# Altium PCB UltraZOhm_CarrierBoard.PcbDoc (part 11 of 12)
Units mm, origin at the board's own origin, x right, y up, seen from the top; angles counter-clockwise.
Board outline 350 x 128 mm, 6 copper layers (Top Layer, L02_GND, L03_Sig, L04_Sig, L05_VCC, Bottom Layer), stack 2.021 mm thick; 851 components, 1243 nets, 4332 pads, 2446 vias.
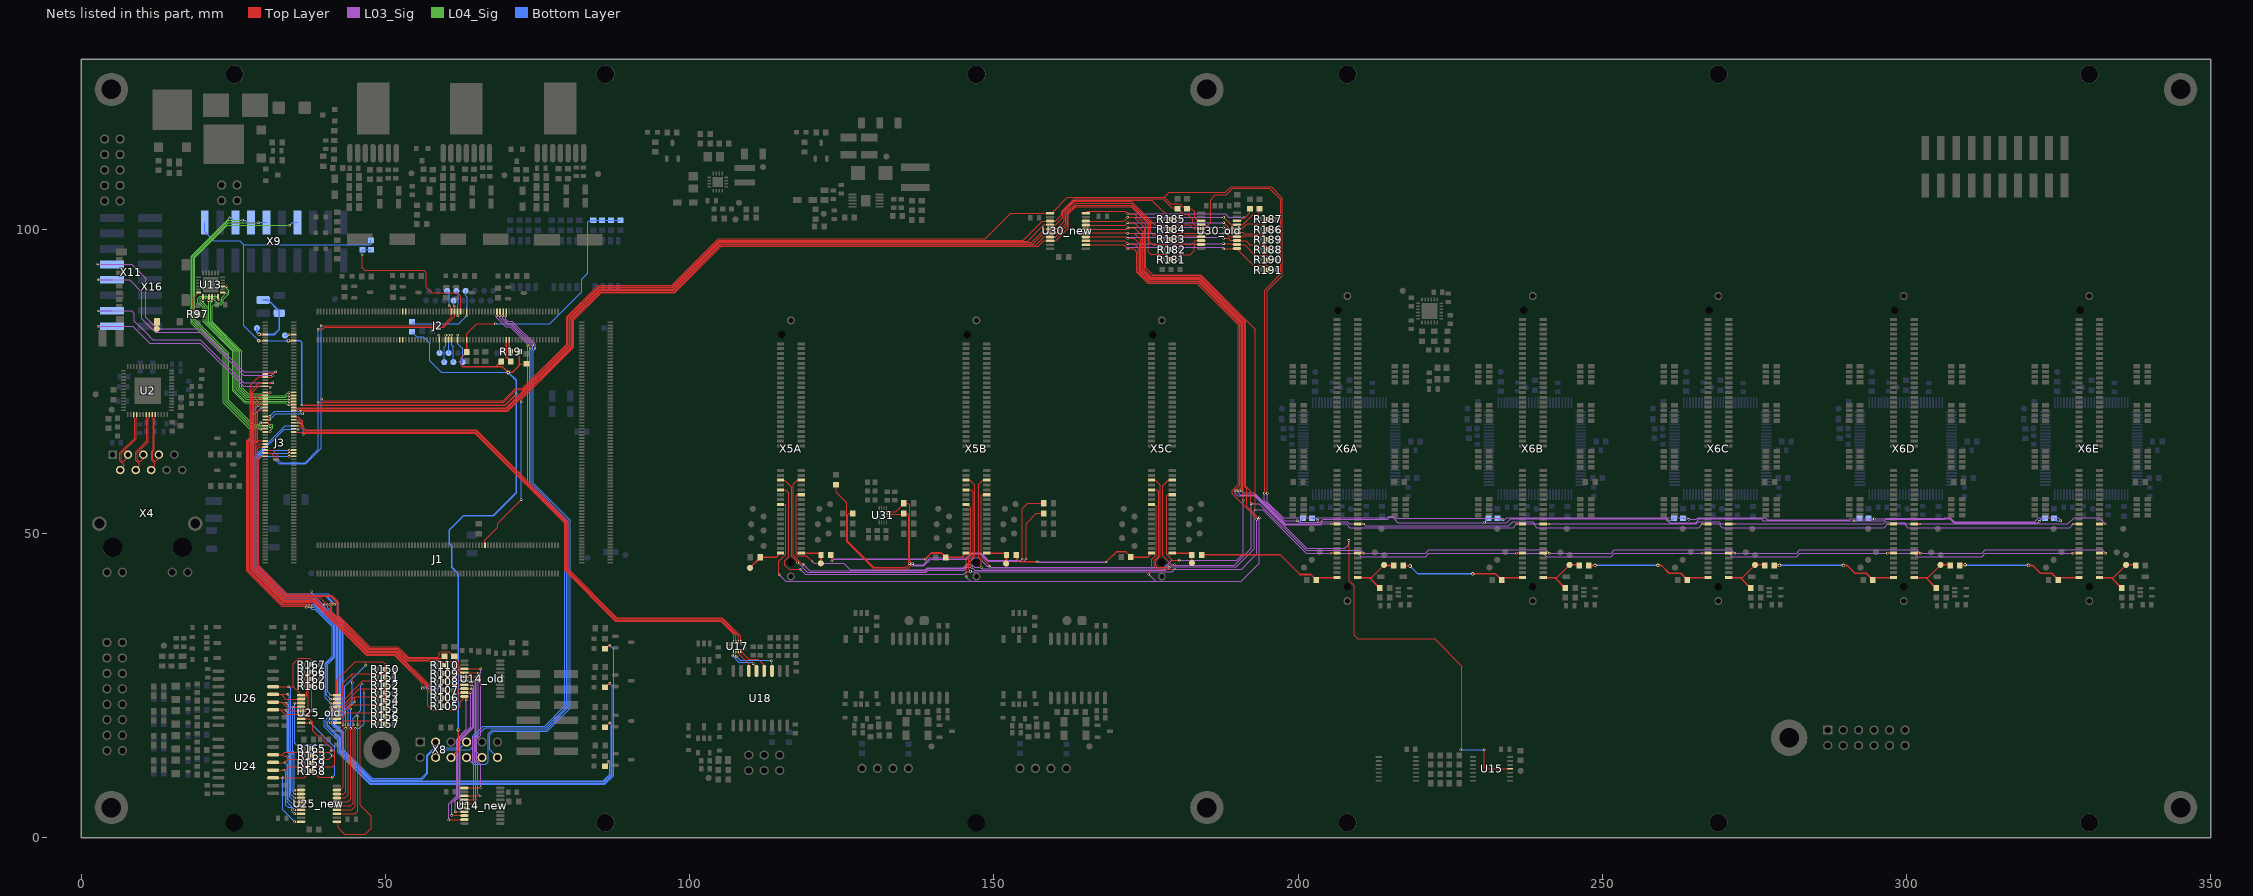
[diagram p15: the nets of this part, all layers, seen from the top]

## Via types
v1: diameter 0.4, hole 0.2, Top Layer to Bottom Layer, tented bottom, 866 vias
v2: diameter 0.4, hole 0.2, Top Layer to Bottom Layer, tented both sides, 783 vias
v3: diameter 0.6, hole 0.3, Top Layer to Bottom Layer, tented both sides, 508 vias
v4: diameter 0.6, hole 0.3, Top Layer to Bottom Layer, tented bottom, 276 vias
v5: diameter 0.5, hole 0.2, Top Layer to Bottom Layer, tented bottom, 5 vias
v6: diameter 0.5, hole 0.3, Top Layer to Bottom Layer, tented bottom, 5 vias
v7: diameter 1, hole 0.5, Top Layer to Bottom Layer, tented bottom, 2 vias
v8: diameter 0.4, hole 0.2, Top Layer to Bottom Layer, 1 vias

## Nets (pads, with @x,y where several pads share a name; then routed paths per layer and width w, separated by ;. In a path a pad name is that pad's centre, name@x,y a point inside that pad or via, vN(x,y) a via of type N, cw(c..) or ccw(c..) an arc to the next point about the centre after c; other vN are vias at no path point) (continued)
PHY_MDI1_N: U2.23 X4.6 | length 10
  Top Layer w0.1: X4.6@11.526,60.467 11.526,60.906 11.906,60.906 12.144,61.144 12.144,61.544 11.58,62.109 11.58,63.58 11.825,63.825 11.825,68.955 11.685,69.095 U2.23@11.685,69.565
PHY_MDI1_P: U2.24 X4.7 | length 9.5
  Top Layer w0.1: U2.24@12.185,69.565 12.185,69.095 12.045,68.955 12.045,63.734 11.8,63.489 11.8,62.2 12.1,61.9 12.3,61.9 12.796,62.396 X4.7@12.796,63.007
PHY_MDI2_N: U2.21 X4.4 | length 10.4
  Top Layer w0.1: X4.4@8.986,60.467 9.6,61.081 9.6,61.489 9,62.089 9,63.411 10.825,65.237 10.825,68.955 10.685,69.095 U2.21@10.685,69.565
PHY_MDI2_P: U2.22 X4.5 | length 10.2
  Top Layer w0.1: X4.5@10.256,63.007 10.256,62.356 9.8,61.9 9.5,61.9 9.22,62.18 9.22,63.32 11.045,65.145 11.045,68.955 11.185,69.095 U2.22@11.185,69.565
PHY_MDI3_N: U2.17 X4.2 | length 10.6
  Top Layer w0.1: X4.2@6.446,60.467 7,61.021 7,61.389 6.4,61.989 6.4,63.275 8.825,65.7 8.825,68.955 8.685,69.095 U2.17@8.685,69.565
PHY_MDI3_P: U2.18 X4.3 | length 10.4
  Top Layer w0.1: X4.3@7.716,63.007 7.716,62.616 7,61.9 6.8,61.9 6.62,62.08 6.62,63.183 9.045,65.609 9.045,68.955 9.185,69.095 U2.18@9.185,69.565
PILOT_A_IN1: R44.2 TP39.1 X5A.80 | length 4.8
  Top Layer w0.254: X5A.80@118.34,46.8 121.506,46.8 R44.2@121.696,46.61 ; TP39.1@121.567,45.141 121.596,45.17 R44.2@121.596,46.51
PILOT_A_IN2: R46.2 TP40.1 X5B.80 | length 5
  Top Layer w0.254: X5B.80@148.82,46.8 151.859,46.8 R46.2@152.203,46.456 ; TP40.1@152.025,45.1 152.076,45.151 R46.2@152.076,46.51 ; TP40.1@152.203,44.78 TP40.1@152.222,44.761
PILOT_A_IN3: R47.2 TP41.1 X5C.80 | length 5.1
  Top Layer w0.254: X5C.80@179.3,46.8 182.466,46.8 R47.2@182.556,46.71 ; R47.2@182.658,46.558 182.5,46.4 182.5,45.202 TP41.1@182.527,45.175 182.527,45.033 TP41.1@182.685,44.875
PILOT_A_OUT1: R41.2 TP33.1 X5A.79 | length 6
  Top Layer w0.254: TP33.1@109.939,44.39 111.599,46.051 R41.2@111.599,46.138 114.278,46.138 X5A.79@114.94,46.8
PILOT_A_OUT2: R43.2 R44.1 X5B.79 | length 24.3
  Top Layer w0.254: R44.1@123.196,46.51 123.368,46.338 v1(123.368,45.517) ; v1(138.709,45.822) 139.716,46.828 141.354,46.828 R43.2@142.081,46.101 144.721,46.101 X5B.79@145.42,46.8
  L03_Sig w0.254: v1(123.368,45.517) 123.673,45.822 v1(138.709,45.822)
PILOT_A_OUT3: R45.2 R46.1 X5C.79 | length 24.3
  Top Layer w0.254: R46.1@153.803,46.456 153.803,45.806 154.244,45.364 v1(157.124,45.364) ; v1(168.446,45.346) 170.1,47 171.714,47 R45.2@172.511,46.203 172.559,46.138 175.238,46.138 X5C.79@175.9,46.8
  L03_Sig w0.254: v1(157.124,45.364) 157.143,45.346 v1(168.446,45.346)
PILOT_D_IN1: R34.2 R74A.1 TP34.1 X6A.100 | length 9.3
  Top Layer w0.254: X6A.100@209.78,42.8 211.686,42.8 ; R74A.1@213.43,41.056 211.686,42.8 ; R34.2@215.712,44.773 214.221,44.773 TP34.1@214.123,44.871 212.052,42.8 211.686,42.8
PILOT_D_IN2: R36.2 R74B.1 TP35.1 X6B.100 | length 9.3
  Top Layer w0.254: X6B.100@240.26,42.8 242.166,42.8 ; R74B.1@243.91,41.056 242.166,42.8 ; R36.2@246.192,44.773 246.093,44.871 TP35.1@244.603,44.871 242.532,42.8 242.166,42.8
PILOT_D_IN3: R38.2 R74C.1 TP36.1 X6C.100 | length 9.3
  Top Layer w0.254: X6C.100@270.74,42.8 272.646,42.8 ; R74C.1@274.39,41.056 272.646,42.8 ; R38.2@276.672,44.773 276.573,44.871 TP36.1@275.083,44.871 273.012,42.8 272.646,42.8
PILOT_D_IN4: R40.2 R74D.1 TP37.1 X6D.100 | length 9.3
  Top Layer w0.254: X6D.100@301.22,42.8 303.126,42.8 ; R74D.1@304.87,41.056 303.126,42.8 ; R40.2@307.152,44.773 307.053,44.871 TP37.1@305.563,44.871 303.492,42.8 303.126,42.8
PILOT_D_IN5: R42.2 R74E.1 TP38.1 X6E.100 | length 9.3
  Top Layer w0.254: X6E.100@331.7,42.8 333.606,42.8 ; R74E.1@335.35,41.056 333.606,42.8 ; R42.2@337.632,44.773 337.533,44.871 TP38.1@336.043,44.871 333.972,42.8 333.606,42.8
PILOT_D_OUT1: R32.2 R47.1 X6A.99 | length 24.1
  Top Layer w0.254: R47.1@184.156,46.51 197.09,46.51 200.3,43.3 202.102,43.3 R32.2@202.984,42.418 203.366,42.8 X6A.99@206.38,42.8
PILOT_D_OUT2: R33.2 R34.1 X6B.99 | length 20.7
  Top Layer w0.254: R34.1@217.312,44.773 217.385,44.7 v3(218.4,44.7) ; v4(228.7,43.4) 232.482,43.4 R33.2@233.464,42.418 ; R33.2@233.462,42.416 233.846,42.8 X6B.99@236.86,42.8
  Bottom Layer w0.254: v3(218.4,44.7) 219.7,43.4 v4(228.7,43.4)
PILOT_D_OUT3: R35.2 R36.1 X6C.99 | length 20.7
  Top Layer w0.254: R36.1@247.792,44.773 248.773,44.773 v3(248.8,44.8) ; v4(259.1,44.8) 259.127,44.773 259.727,44.773 261,43.5 262.862,43.5 R35.2@263.944,42.418 ; R35.2@263.942,42.416 264.326,42.8 X6C.99@267.34,42.8
  Bottom Layer w0.254: v3(248.8,44.8) v4(259.1,44.8)
PILOT_D_OUT4: R37.2 R38.1 X6D.99 | length 20.7
  Top Layer w0.254: R38.1@278.272,44.773 279.073,44.773 v3(279.1,44.8) ; v4(289.6,44.8) 289.627,44.773 290.227,44.773 291.5,43.5 293.342,43.5 R37.2@294.424,42.418 ; R37.2@294.422,42.416 294.806,42.8 X6D.99@297.82,42.8
  Bottom Layer w0.254: v3(279.1,44.8) v4(289.6,44.8)
PILOT_D_OUT5: R39.2 R40.1 X6E.99 | length 20.8
  Top Layer w0.254: R40.1@308.752,44.773 308.878,44.9 v3(309.6,44.9) ; v4(320,44.8) 320.027,44.773 320.727,44.773 322,43.5 323.822,43.5 R39.2@324.904,42.418 ; R39.2@324.902,42.416 325.286,42.8 X6E.99@328.3,42.8
  Bottom Layer w0.254: v3(309.6,44.9) 309.7,44.8 v4(320,44.8)
PJTAG0_TCK: J3.88 X9.9 | length 51.6
  Top Layer w0.1: J3.88@30.287,66.736 31.036,66.736 v2(31.1,66.8)
  L04_Sig w0.1: v1(29.2,101.1) 24.166,101.1 18.5,95.434 18.5,85 23.995,79.505 23.995,71.805 28,67.8 30.7,67.8 30.9,68 31.3,68 31.5,67.8 31.5,67.4 31.1,67 v2(31.1,66.8)
  Bottom Layer w0.1: v1(29.2,101.1) 29.255,101.155 X9.9@30.48,101.155
PJTAG0_TDI: J3.90 X9.5 | length 45.2
  Top Layer w0.1: v2(29.5,67.2) 30.251,67.2 J3.90@30.287,67.236
  L04_Sig w0.1: v1(24.4,101.9) 18.1,95.6 18.1,84.6 23.4,79.3 23.4,71.5 27.6,67.3 29.4,67.3 v2(29.5,67.2)
  Bottom Layer w0.1: v1(24.4,101.9) 24.656,101.9 X9.5@25.4,101.155
PJTAG0_TDO: J3.92 X9.13 | length 52.9
  Top Layer w0.1: v2(29.5,68.2) 29.964,67.736 J3.92@30.287,67.736
  L04_Sig w0.1: v2(29.5,68.2) 29.3,68 28.2,68 24.278,71.922 24.278,79.622 18.7,85.2 18.7,95.351 24.049,100.7 v1(34.3,100.7)
  Bottom Layer w0.1: v1(34.3,100.7) 34.755,101.155 X9.13@35.56,101.155
PJTAG0_TMS: J3.94 X9.7 | length 48.7
  Top Layer w0.1: J3.94@30.287,68.236 30.764,68.236 31.1,67.9 v2(31.1,67.6)
  L04_Sig w0.1: v1(26.55,101.5) 24.283,101.5 18.3,95.517 18.3,84.8 23.712,79.388 23.712,71.688 27.8,67.6 v2(31.1,67.6)
  Bottom Layer w0.1: v1(26.55,101.5) 27,101.5 27.344,101.155 X9.7@27.94,101.155
PLI_Collective_FLT_1V8: J1.112 R181.2 U30_new.8 U30_old.9 | length 163.1
  Top Layer w0.1: J1.112@66.372,48.121 66.372,48.96 68.453,51.041 68.453,51.152 68.45,51.155 68.45,51.711 v1(72.339,55.601) ; v1(72.339,71.679) 72.34,72.008 81,80.669 81,85.117 85.483,89.6 97.531,89.6 105.183,97.251 157.322,97.251 158.192,98.121 159.329,98.121 160.177,98.121 162.249,100.193 162.249,102.536 163.426,103.714 172.593,103.714 175.358,100.949 175.358,96.346 175.793,95.91 178.247,95.91 R181.2@179.111,95.047 179.924,95.86 182.27,95.86 182.9,96.489 182.9,97.3 183.125,97.525 U30_old.9@184.15,97.525
  Bottom Layer w0.1: v1(72.339,55.601) v1(72.339,71.679)
PLI_COLLECTIVE_FLT_3V3: R190.2 U15.11 U30_new.13 U30_old.12 | length 170.1
  Top Layer w0.1: U30_new.13@165.029,98.121 171.546,98.121 v1(172,97.667) 173.076,97.667 173.758,96.984 173.758,93 175.376,91.383 183.475,91.383 190.421,84.438 190.421,57.849 v1(189.645,57.074) ; v2(187.757,97.667) 189.135,97.667 189.33,97.471 189.743,97.471 191.2,97.471 192.888,95.783 194.767,95.783 195.042,95.509 195.042,95.011 R190.2@195.06,94.992 ; v2(208.3,48.9) 208.4,48.8 208.4,42.267 209.2,41.467 209.2,33.317 209.817,32.7 222.417,32.7 226.9,28.217 226.9,14.7 v2(226.7,14.5) ; v1(230.6,14.5) 230.6,11.5 230.737,11.363 U15.11@234.841,11.363
  L03_Sig w0.1: v1(172,97.667) v2(187.757,97.667) ; v1(189.645,57.074) 189.645,56.633 190.043,56.236 192.764,56.236 201.4,47.6 207.7,47.6 208.3,48.2 v2(208.3,48.9)
  Bottom Layer w0.1: v2(226.7,14.5) v1(230.6,14.5)
PLL_3V3: C1.2 J3.152 L1.1 TP26.1 | length 12.3
  Top Layer w0.3: v4(29.261,82.753) 30.27,82.753 J3.152@30.287,82.736
  Bottom Layer w0.3: TP26.1@28.894,83.783 28.894,83.12 v4(29.261,82.753) 31.775,82.753 32.577,83.554 C1.2@32.577,86.242 32.577,86.575 30.751,88.401 L1.1@29.935,88.401
PLL_FDEC: J2.94 TP8.1 | length 5
  Top Layer w0.1: J2.94@61.872,86.521 61.872,85.828 v2(61.9,85.8)
  Bottom Layer w0.1: TP8.1@61.684,89.898 62,89.582 62,87.6 61.9,87.5 v2(61.9,85.8)
PLL_FINC: J2.81 TP17.1 | length 3.7
  Top Layer w0.1: v2(58.8,82.6) 58.872,82.528 J2.81@58.872,81.851
  Bottom Layer w0.1: v2(58.8,82.6) 58.926,82.474 TP17.1@58.926,79.698
PLL_LOLN: J2.85 TP18.1 | length 5.2
  Top Layer w0.1: J2.85@59.872,81.851 59.9,81.879 v2(59.9,82.6)
  Bottom Layer w0.1: TP18.1@59.686,78.202 59.686,80.686 59.9,80.9 v2(59.9,82.6)
PLL_RST: J2.89 TP20.1 | length 5.3
  Top Layer w0.1: J2.89@60.872,81.851 60.9,81.879 v2(60.9,82.6)
  Bottom Layer w0.1: v2(60.9,82.6) 60.9,81 61.19,80.71 TP20.1@61.19,78.198
PLL_SCL: J2.90 J3.74 R66A.2 R66B.2 R66C.2 R66D.2 R66E.2 R176.2 TP6.1 U30_new.1 U30_old.3 | length 432
  Top Layer w0.1: J3.74@30.287,63.236 31.277,63.236 31.75,62.763 v1(31.75,62.255) ; v1(39.497,84.15) 59.487,84.15 60.872,85.535 J2.90@60.872,86.521 60.852,86.541 60.852,87.077 v2(60.503,87.427) ; v1(39.522,72.136) 39.83,71.828 69.386,71.828 71.444,73.885 72.52,73.885 79.8,81.166 79.8,85.614 84.986,90.8 97.034,90.8 104.694,98.46 148.574,98.46 152.785,102.671 159.329,102.671 159.482,102.671 162.065,105.254 178.006,105.254 ; U30_old.3@184.043,101.371 183.579,101.371 183,101.95 183,102.877 182.455,103.422 R176.2@181.723,103.422 181.361,103.422 180.584,104.2 179.061,104.2 178.006,105.254 ; v1(194.954,56.642) 194.894,56.701 194.894,89.885 197.424,92.415 197.424,105.146 195.56,107.01 188.976,107.01 188.062,106.096 178.848,106.096 178.006,105.254
  L03_Sig w0.1: v1(194.954,56.642) 194.954,55.192 197.552,52.594 203.251,52.594 ; v2(203.225,52.222) 203.225,52.569 203.251,52.594 ; v1(325.323,52.146) 324.866,52.603 321.666,52.603 321.062,52 307.82,52 307.17,52.65 306.262,52.65 306.162,52.55 296.536,52.55 296.437,52.451 v2(294.691,52.451) 291.001,52.451 290.966,52.486 290.763,52.486 290.573,52.295 277.092,52.295 276.733,52.654 265.735,52.654 265.43,52.349 v2(264.185,52.349) 263.885,52.65 249.035,52.65 249.031,52.654 234.264,52.654 233.915,52.305 233.639,52.305 v2(233.629,52.295) 233.423,52.502 216.005,52.502 215.627,52.88 214.932,52.88 214.646,52.594 203.251,52.594
  Bottom Layer w0.1: v1(31.75,62.255) 32.534,61.471 36.887,61.471 39.497,64.081 v1(39.497,84.15) ; TP6.1@60.168,89.898 60.168,89.731 60.503,89.396 v2(60.503,87.427) ; R66A.2@202.311,52.52 202.928,52.52 v2(203.225,52.222) ; R66B.2@232.791,52.52 233.015,52.295 v2(233.629,52.295) ; R66C.2@263.271,52.52 263.977,52.52 264.147,52.349 v2(264.185,52.349) ; R66D.2@293.751,52.52 293.819,52.451 v2(294.691,52.451) ; R66E.2@324.231,52.52 324.604,52.146 v1(325.323,52.146)
PLL_SDA: J2.92 J3.76 R65A.2 R65B.2 R65C.2 R65D.2 R65E.2 R177.2 TP7.1 U30_new.3 U30_old.4 | length 426.1
  Top Layer w0.1: J3.76@30.287,63.736 31.485,63.736 32.25,62.971 v1(32.25,62.255) ; v1(38.989,71.628) 69.469,71.628 71.526,73.685 72.603,73.685 80,81.083 80,85.531 85.069,90.6 97.117,90.6 104.777,98.26 154.851,98.26 157.963,101.371 159.329,101.371 160.071,101.371 161.138,102.438 161.138,103.004 163.188,105.054 177.724,105.054 179.248,103.53 180.091,103.53 R177.2@180.199,103.422 180.249,103.422 181.172,102.5 181.9,102.5 182.7,101.7 182.7,101 182.979,100.721 185.221,100.721 185.6,101.1 185.6,104.9 186.415,105.715 188.219,105.715 189.245,106.741 195.291,106.741 197.155,104.877 197.155,92.685 194.513,90.043 194.513,56.701 v1(194.454,56.642) ; v1(38.989,83.591) 39.726,83.591 40.084,83.95 59.57,83.95 61.372,85.753 J2.92@61.372,86.521 61.372,87.37 v2(61.341,87.401)
  L03_Sig w0.1: v1(194.454,56.642) 194.454,55.41 197.717,52.146 v1(199.847,52.146) 200.121,51.872 203.637,51.872 204.115,52.35 214.685,52.35 215.014,52.68 215.544,52.68 216.408,51.816 230.431,51.816 230.45,51.835 230.582,51.835 v1(230.639,51.892) ; v1@230.673,51.8 234.299,51.8 234.949,52.45 245.675,52.45 260.478,52.45 v1(260.756,52.172) 261.087,51.841 265.328,51.841 265.913,52.426 275.841,52.426 275.865,52.45 276.155,52.45 276.36,52.245 276.36,52.095 v1(291.338,52.095) 296.364,52.095 296.619,52.35 306.245,52.35 306.345,52.45 307.087,52.45 307.737,51.8 321.548,51.8 v1(321.767,52.019)
  Bottom Layer w0.1: v1(32.25,62.255) 32.834,61.671 36.805,61.671 38.997,63.864 v1@38.997,83.617 ; TP7.1@61.226,88.298 61.226,87.598 61.341,87.483 v2(61.341,87.401) ; v1(199.847,52.146) 200.413,52.146 R65A.2@200.787,52.52 ; v1(230.639,51.892) R65B.2@231.267,52.52 ; v1(260.756,52.172) 261.399,52.172 R65C.2@261.747,52.52 ; v1(291.338,52.095) 291.718,52.095 291.742,52.12 291.827,52.12 R65D.2@292.227,52.52 ; v1(321.767,52.019) 322.115,52.367 322.555,52.367 R65E.2@322.707,52.52
PLL_SEL0: J2.93 TP22.1 | length 5.5
  Top Layer w0.1: J2.93@61.872,81.851 61.9,81.879 v2(61.9,82.6)
  Bottom Layer w0.1: v2(61.9,82.6) 61.9,81.2 62.7,80.4 TP22.1@62.7,78.198
PLL_SEL1: J2.87 TP19.1 | length 3.7
  Top Layer w0.1: J2.87@60.372,81.851 60.4,81.879 v2(60.4,82.6)
  Bottom Layer w0.1: v2(60.4,82.6) 60.402,82.598 TP19.1@60.402,79.698
PROG_B: J2.100 R199.1 TP10.1 | length 14.7
  Top Layer w0.1: J2.100@63.372,86.521 63.4,86.493 v2(63.4,85.8)
  Bottom Layer w0.1: R199.1@54.399,84.8 54.699,84.5 62.1,84.5 v2(63.4,85.8) 63.4,87.2 63.5,87.3 63.5,88.8 63.2,89.1 TP10.1@63.2,89.898
PS_1V8: J2.99 J3.147 J3.148 R8.2 R11.2 R12.2 R13.2 R14.2 R15.1 R19.3 R199.2 R201.2 R202.2 X8.6 X9.1 | length 255.2
  Top Layer w0.2: v4(29.2,81.7) 29.236,81.736 J3.148@30.287,81.736 ; J2.99@63.372,81.851 63.372,82.872 65,84.5 v1(68.1,84.5) ; 72.041,77.68 72.31,77.949 R202.2@73.182,77.949
  Top Layer w0.254: v3(34.1,81.736) J3.147@34.957,81.736 ; v1(36.297,71.145) 69.723,71.145 71.5,72.922 v1(71.5,72.974) ; X8.6@60.816,13.227 62,14.411 v4(62,17.8) ; J2.99@63.372,81.851 63.372,79.889 R8.2@63.382,79.88 R8.2@63.382,79.88 62.5,79 62.5,77.7 62.8,77.4 68.13,77.4 ; R15.1@69.046,78.317 68.13,77.4 ; R19.3@72.041,79.935 72.041,77.68 70.861,76.5 v4(70.2,76.5) 69.3,77.4 68.13,77.4
  Bottom Layer w0.1: R199.2@54.399,83.2 55.199,82.4 56.2,82.4 57.3,81.3 57.3,78.4 59.2,76.5 v4(70.2,76.5)
  Bottom Layer w0.2: X9.1@20.32,101.155 20.32,99.58 21.8,98.1 26.1,98.1 26.7,97.5 ; v3(34.1,81.736) 34.064,81.7 v4(29.2,81.7) 26.7,84.2 26.7,97.5 ; R201.2@47.632,98.251 47.6,98.22 47.6,97.617 47.483,97.5 26.7,97.5 ; v1(68.1,84.5) 77,84.5 82.3,89.8 82.3,91.8 83.3,92.8 83.3,101.2 83.488,101.388 84.077,101.388 R14.2@84.171,101.482 R13.2@85.631,101.482 R12.2@87.091,101.482 R11.2@88.613,101.482
  Bottom Layer w0.254: v3(34.1,81.736) 34.136,81.7 36,81.7 36.297,81.403 v1(36.297,71.145) ; v4(62,17.8) 62,43.4 60.9,44.5 60.9,48 60.5,48.4 60.5,50.6 62.859,52.959 67.742,52.959 71.5,56.717 v1(71.5,72.974) 71.5,75.2 v4(70.2,76.5)
PS_3V3_GPIO1: R158.2 U24.3 U25_new.20 U25_old.18 | length 32
  Top Layer w0.1: U24.3@31.566,9.879 33.175,9.879 36.704,9.879 37.925,11.1 39.025,10 v1(41.3,10) ; v1(35.1,2.675) U25_new.20@36.25,2.675 ; U25_old.18@36.256,18.922 37.678,18.922 v1(37.7,18.9)
  Bottom Layer w0.1: v1(33.175,9.875) 33.175,4.6 v1(35.1,2.675) ; v1(37.7,18.9) 41.65,14.95 41.65,10.35 v1(41.3,10)
PS_3V3_GPIO2: R159.2 U24.4 U25_new.18 U25_old.17 | length 31.3
  Top Layer w0.1: U24.4@31.566,11.149 33.549,11.149 34.092,11.692 36.963,11.692 36.971,11.7 37.359,11.7 37.925,12.267 38.5,11.692 41.392,11.692 41.7,12 41.7,14.188 40,15.888 40,16.512 39.712,16.8 38.9,16.8 38.1,17.6 38.1,19 37.528,19.572 U25_old.17@36.256,19.572 ; v2(35.1,3.975) U25_new.18@36.25,3.975
  Bottom Layer w0.1: v1(33.325,11.175) 33.675,10.825 33.675,5.4 34.025,5.05 34.445,5.05 34.65,4.845 34.65,4.425 v2(35.1,3.975)
PS_3V3_GPIO3: R160.2 U25_new.15 U25_old.16 U26.3 | length 28.8
  Top Layer w0.1: U26.3@31.566,21.055 31.612,21.1 32.775,21.1 ; v1(33.65,20.975) 33.525,21.1 32.775,21.1 ; v2(35.1,5.925) U25_new.15@36.25,5.925 ; R160.2@37.925,24.933 37.925,20.825 37.322,20.222 36.256,20.222 35.775,20.222 35.647,20.35 33.525,20.35 32.775,21.1
  Bottom Layer w0.1: v1(33.65,20.975) 33.85,20.775 33.85,14.119 34.275,13.694 34.275,6.75 v2(35.1,5.925)
PS_3V3_GPIO4: R162.2 U25_new.14 U25_old.15 U26.4 | length 30.1
  Top Layer w0.1: U26.4@31.566,22.325 32.975,22.325 ; v1(33.825,22.15) 33.65,22.325 32.975,22.325 ; v2(35.1,6.575) U25_new.14@36.25,6.575 ; R162.2@37.925,26.1 37.4,26.1 37.3,26 37.3,21.3 36.911,20.911 36.295,20.911 36.256,20.872 34.428,20.872 32.975,22.325
  Bottom Layer w0.1: v1(33.825,22.15) 34.05,21.925 34.05,14.201 34.475,13.776 34.475,7.2 v2(35.1,6.575)
PS_3V3_GPIO5: R163.2 U24.5 U25_new.17 U25_old.14 | length 35.8
  Top Layer w0.1: U24.5@31.566,12.419 31.585,12.4 v1(33.5,12.4) 34,12.9 37.275,12.9 37.875,13.5 38.475,12.9 40.7,12.9 v1(41.3,13.5) ; v1(34.8,21.475) 36.209,21.475 U25_old.14@36.256,21.522 ; v2(35.1,4.625) U25_new.17@36.25,4.625
  Bottom Layer w0.1: v1(33.5,12.4) 33.875,12.025 33.875,5.903 35.1,4.678 v2(35.1,4.625) ; v1(34.8,21.475) 34.8,14.3 35,14.1 40.7,14.1 v1(41.3,13.5)
PS_3V3_GPIO6: R165.2 U24.6 U25_new.16 U25_old.13 | length 35.6
  Top Layer w0.1: U24.6@31.566,13.689 33.089,13.689 ; v1(33.925,13.425) 33.352,13.425 33.089,13.689 ; v2(35.1,5.275) U25_new.16@36.25,5.275 ; v1(35.125,22.175) 35.128,22.172 U25_old.13@36.256,22.172 ; v1(41.091,14.3) 40.891,14.1 38.475,14.1 R165.2@37.875,14.7 37.275,14.1 33.5,14.1 33.089,13.689
  Bottom Layer w0.1: v1(33.925,13.425) 34.075,13.275 34.075,6.3 v2(35.1,5.275) ; v1(35.125,22.175) 35.159,22.175 35.159,16.354 35.15,16.345 35.15,15.55 35.4,15.3 40.6,15.3 41.1,14.8 41.091,14.791 v1(41.091,14.3)
PS_3V3_GPIO7: R166.2 U25_new.13 U25_old.12 U26.5 | length 31.2
  Top Layer w0.1: v1(34,23.6) 31.572,23.6 U26.5@31.566,23.595 32.905,23.595 33.678,22.822 U25_old.12@36.156,22.822 36.575,22.822 37.1,23.347 37.1,27.2 37.2,27.3 R166.2@37.875,27.3 ; v2(35.1,7.225) U25_new.13@36.15,7.225 U25_new.13@36.25,7.225
  Bottom Layer w0.1: v1(34,23.6) 34.25,23.35 34.25,14.284 34.675,13.859 34.675,7.65 v2(35.1,7.225)
PS_3V3_GPIO8: R167.2 U25_new.12 U25_old.11 U26.6 | length 31.9
  Top Layer w0.1: U26.6@31.566,24.865 34.11,24.865 v1(34.125,24.85) 34.877,24.85 ; v2(35.1,7.875) U25_new.12@36.25,7.875 ; U25_old.11@36.256,23.472 36.103,23.472 35.964,23.61 35.964,23.763 34.877,24.85 ; R167.2@37.875,28.5 37.875,29.2 37.5,29.575 35.8,29.575 34.877,28.652 34.877,24.85
  Bottom Layer w0.1: v1(34.125,24.85) 34.45,24.525 34.45,14.367 35.038,13.779 35.038,7.937 v2(35.1,7.875)
PS_ANL_GPIO_01_1V8: J3.101 R184.2 U30_new.5 U30_old.6 | length 169.1
  Top Layer w0.1: J3.101@34.957,70.236 35.436,70.236 35.7,70.5 69.983,70.5 80.4,80.917 80.4,85.366 85.234,90.2 97.283,90.2 104.943,97.86 156.204,97.86 158.42,100.076 159.324,100.076 159.329,100.071 160.244,100.071 161.538,101.365 161.538,102.838 163.3,104.6 172.593,104.6 176.432,100.762 178.349,100.762 R184.2@179.111,100 179.755,99.355 183.549,99.355 183.669,99.475 U30_old.6@184.15,99.475
PS_ANL_GPIO_01_3V3: R186.2 U30_new.16 U30_old.15 X5A.56 X5B.56 X5C.56 | length 211.5
  Top Layer w0.1: X5A.56@118.34,56.4 117.589,56.4 117.526,56.337 117.526,46.552 117.678,46.4 119.208,46.4 v1(120.117,45.491) ; X5B.56@148.82,56.4 148.018,56.4 147.904,56.286 147.904,46.192 149.352,44.744 v1(149.352,44.679) ; U30_new.16@165.029,100.071 171.804,100.071 v1(172,100.267) 173.076,100.267 174.358,98.984 174.358,93.249 175.624,91.983 183.724,91.983 191.021,84.686 v1(191.021,55.5) ; X5C.56@179.3,56.4 178.58,56.4 178.38,56.2 178.38,46.639 179.349,45.669 v1(180.492,45.669) ; v2(187.757,100.267) 187.766,100.257 188.043,100.257 188.825,99.475 189.85,99.475 189.875,99.5 190.9,99.5 191.1,99.3 194.374,99.3 R186.2@195.06,99.986
  L03_Sig w0.1: v1(120.117,45.491) 120.447,45.161 125.349,45.161 126.403,44.107 138.736,44.107 139.043,44.414 144.983,44.414 146.657,46.088 147.522,46.088 148.932,44.679 v1(149.352,44.679) 149.558,44.472 177.997,44.472 179.194,45.669 v1(180.492,45.669) 180.518,45.644 189.941,45.644 191.021,46.723 v1(191.021,55.5) ; v1(172,100.267) 172.083,100.35 187.674,100.35 v2(187.757,100.267)
PS_ANL_GPIO_02_1V8: J3.103 R185.2 U30_new.4 U30_old.5 | length 168.5
  Top Layer w0.1: J3.103@34.957,70.736 34.993,70.7 69.9,70.7 80.2,81 80.2,85.449 85.151,90.4 97.2,90.4 104.86,98.06 155.54,98.06 158.217,100.736 159.314,100.736 159.329,100.721 160.122,100.721 161.338,101.937 161.338,102.921 163.217,104.8 175.961,104.8 R185.2@179.111,101.651 179.962,100.8 182.2,100.8 182.9,100.1 184.125,100.1 U30_old.5@184.15,100.125
PS_ANL_GPIO_02_3V3: R187.2 U30_new.17 U30_old.16 X5A.59 X5B.59 X5C.59 | length 222.8
  Top Layer w0.1: v1(114.7,43.25) 114.681,43.269 114.681,45.461 115.82,46.6 115.82,54.6 115.62,54.8 X5A.59@114.94,54.8 ; v1@145.5,43.028 145.466,43.062 145.466,45.981 145.885,46.4 146.082,46.4 146.17,46.488 146.17,54.312 145.97,54.512 X5B.59@145.97,54.691 ; U30_new.17@165.029,100.721 171.588,100.721 v1(172,101.133) 173.076,101.133 174.558,99.651 174.558,93.332 175.707,92.183 183.807,92.183 191.221,84.769 191.221,57.716 191.541,57.395 191.541,54.504 193.366,52.679 193.608,52.679 v1(193.634,52.653) ; v1(175.425,43.3) 175.425,43.381 175.523,43.48 175.523,43.497 175.927,43.9 175.927,45.765 176.65,46.488 176.65,54.4 176.25,54.8 X5C.59@175.9,54.8 ; v2(187.757,101.133) 188.765,100.125 189.85,100.125 189.907,100.182 190.441,100.182 190.459,100.2 190.929,100.2 191.657,100.928 194.679,100.928 195.06,101.309 R187.2@195.06,101.651
  L03_Sig w0.1: v1@114.7,43.225 115.775,42.15 146.166,42.15 ; v1(145.466,43.028) 145.466,42.85 146.166,42.15 ; v1(172,101.133) v2(187.757,101.133) ; v1(175.425,43.3) 176.575,42.15 ; v1(193.634,52.653) 193.634,45.176 193.65,45.161 190.638,42.15 176.575,42.15 ; 146.166,42.15 176.575,42.15
PS_DIG_GPIO_01_1V8: J3.96 R182.2 U30_new.7 U30_old.8 | length 177.8